# Altium PCB Sensorhub_PCB.PcbDoc
Units mm, origin at the board's own origin, x right, y up, seen from the top; angles counter-clockwise.
Board outline 78 x 63 mm, 4 copper layers (Top Layer, Inner Layer1, Inner Layer2, Bottom Layer), stack 1.369 mm thick; 106 components, 76 nets, 447 pads, 107 vias.
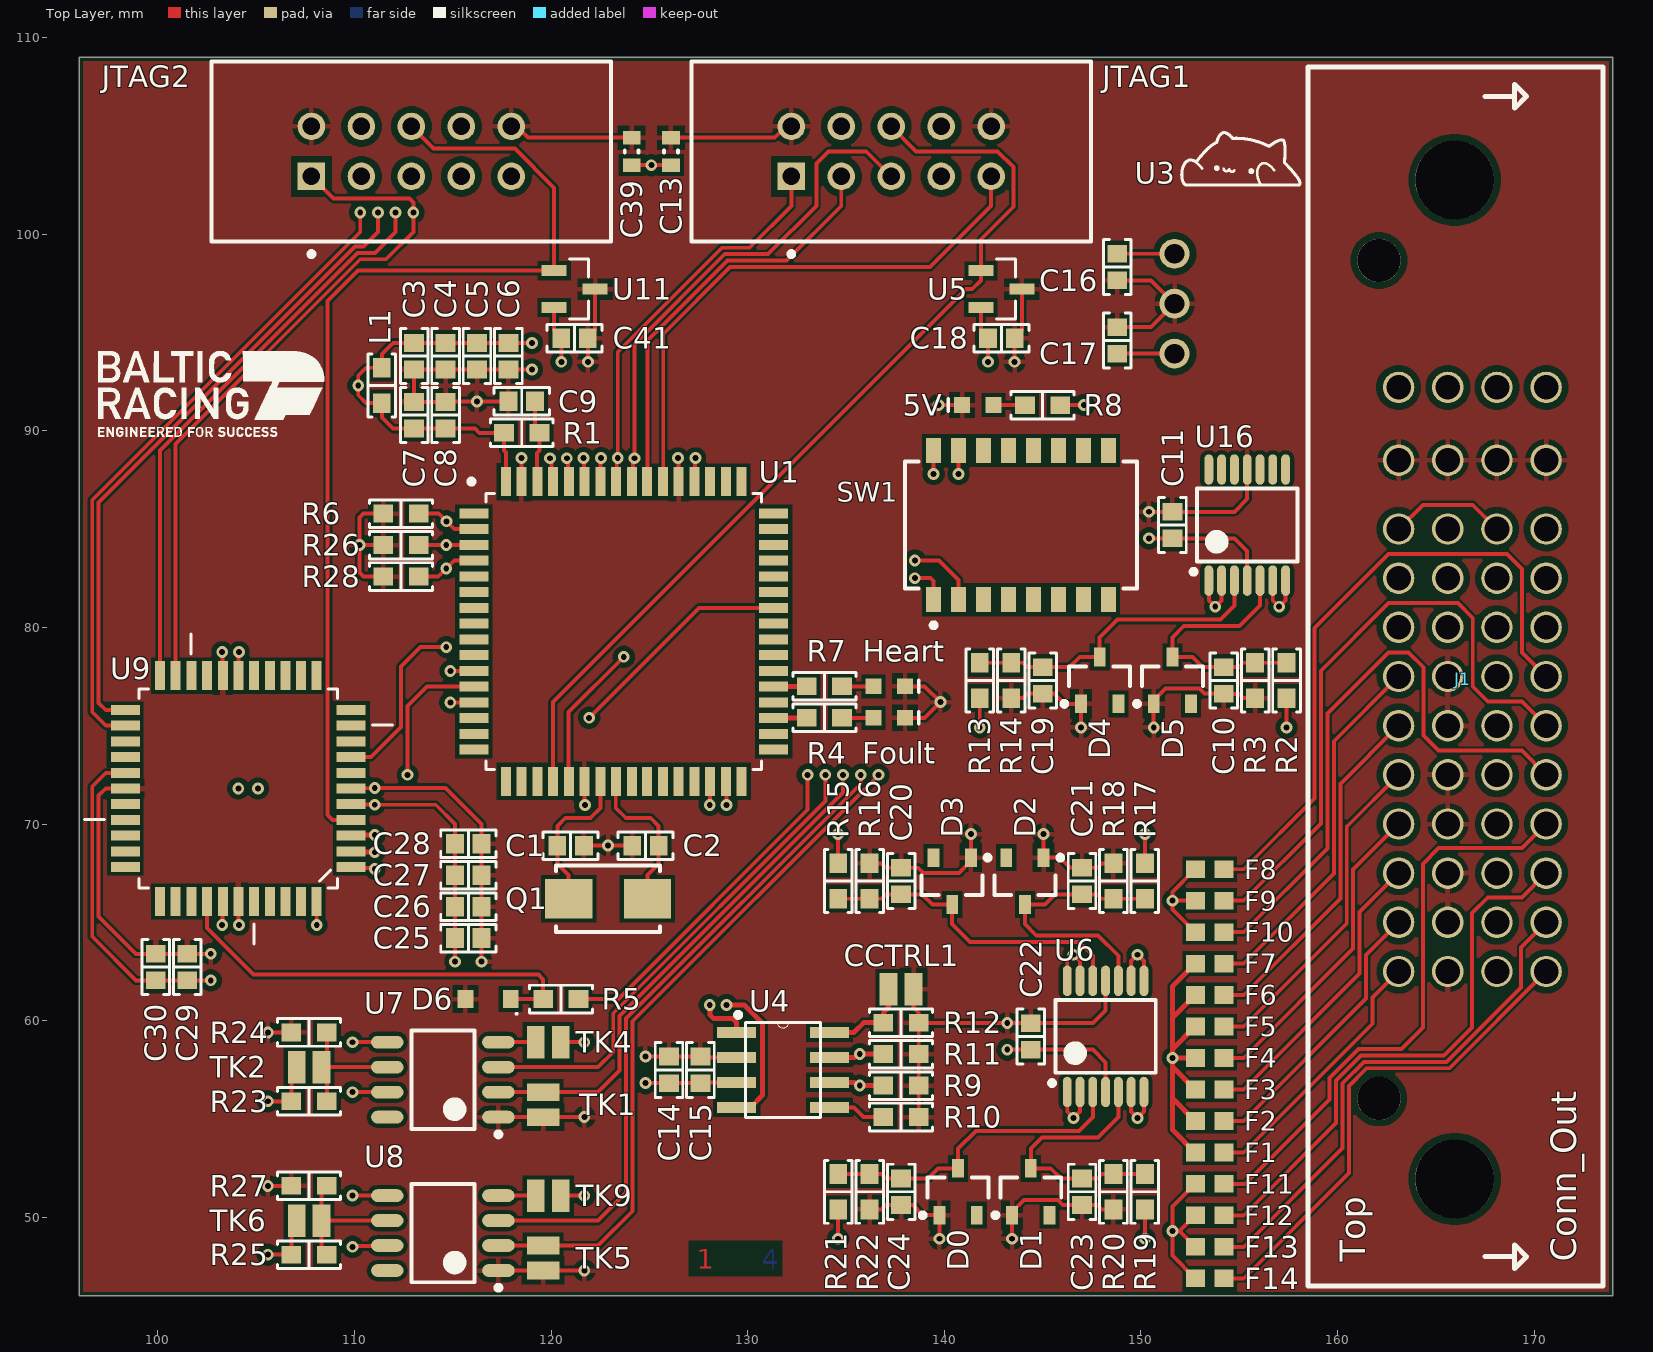
[diagram p0: Top Layer view]
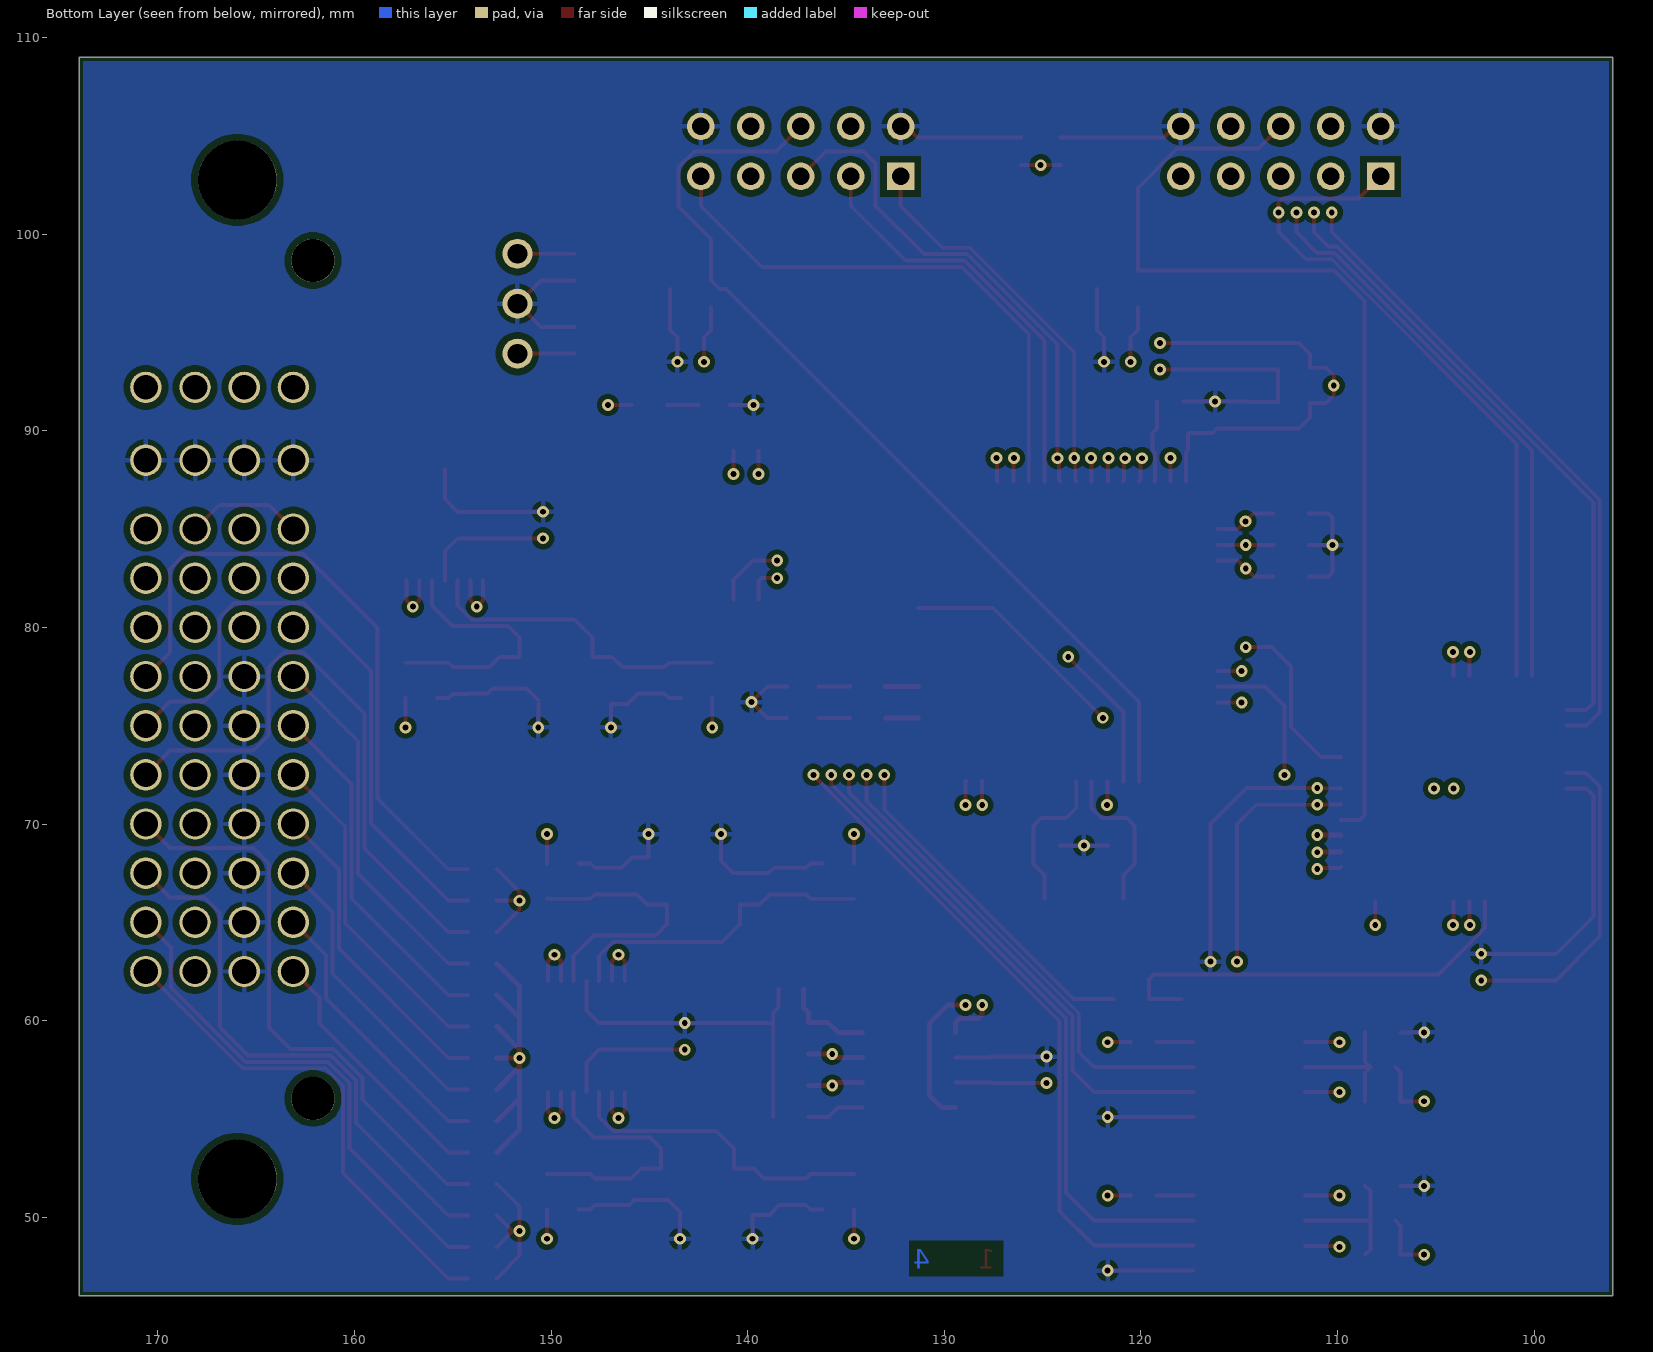
[diagram p1: Bottom Layer view, seen from below]
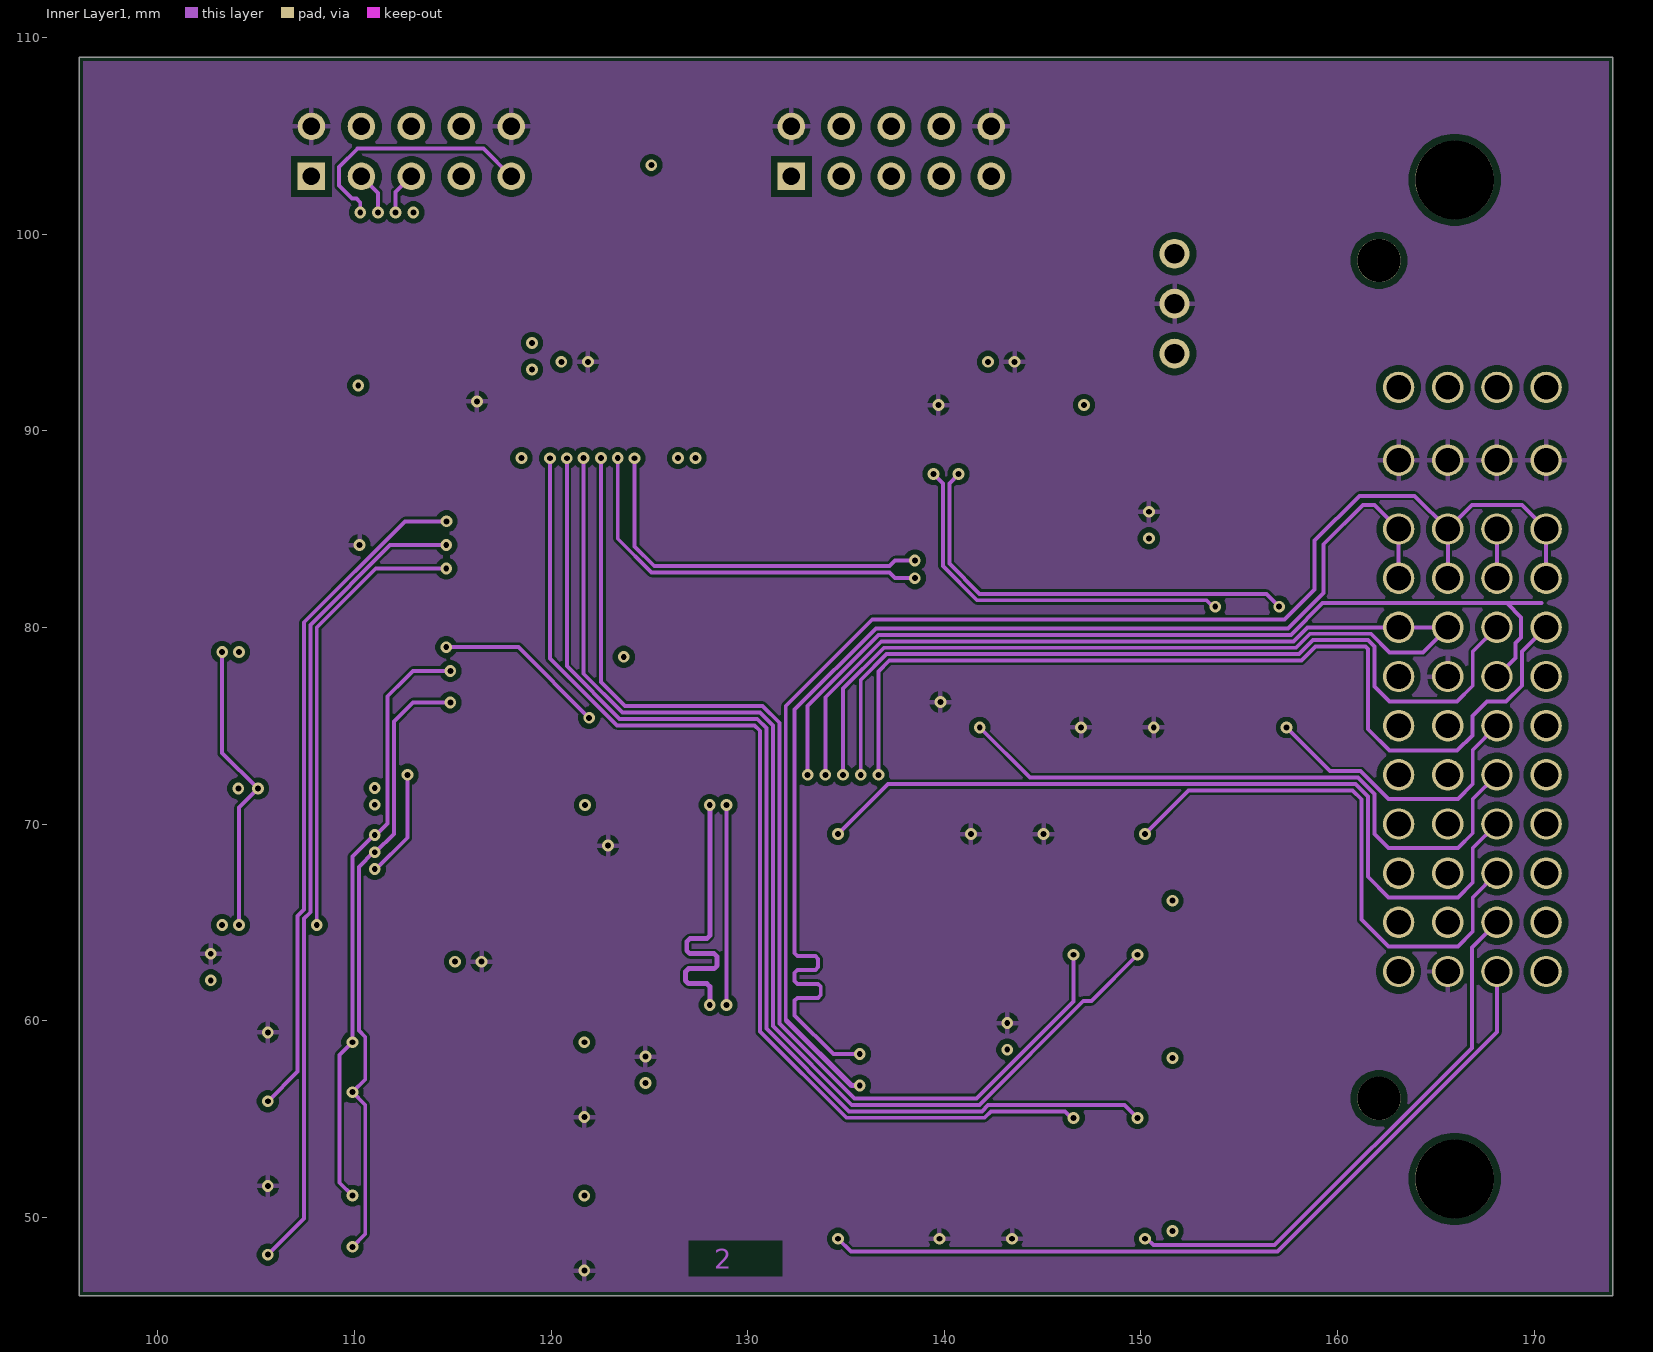
[diagram p2: Inner Layer1]
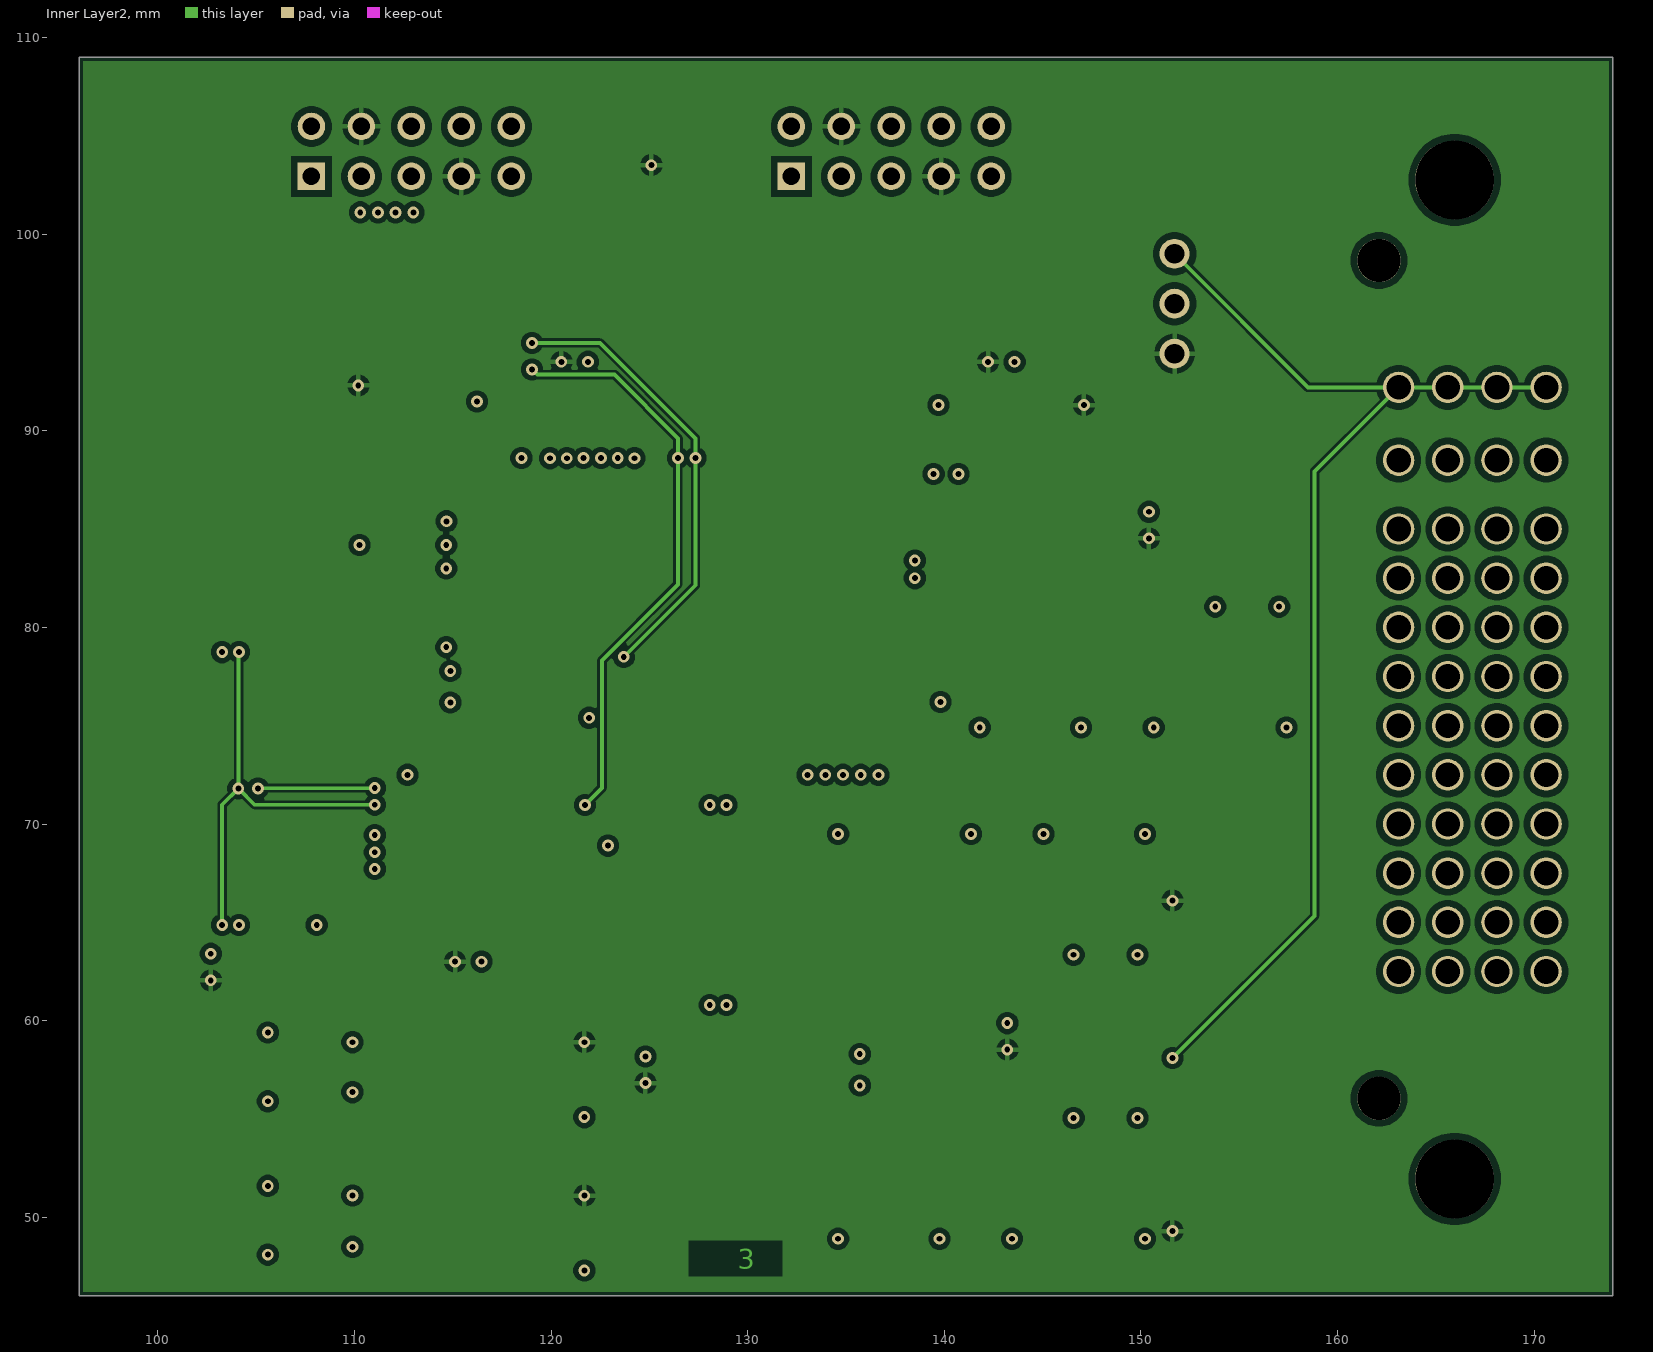
[diagram p3: Inner Layer2]

## Layer stack, top to bottom
Top Solder: solder mask 0.0254, SM-001, Dk 4
Top Layer: signal copper 0.035
Dielectric 1: prepreg 0.1295, PP-017, Dk 4.3
Dielectric 2: prepreg 0.1295, PP-017, Dk 4.3
Inner Layer1: signal copper 0.035
Dielectric 3: core 0.7112, Core-039, Dk 4.8
Inner Layer2: signal copper 0.035
Dielectric 4: prepreg 0.1295, PP-017, Dk 4.3
Dielectric 5: prepreg 0.1295, PP-017, Dk 4.3
Bottom Layer: signal copper 0.035
Bottom Solder: solder mask 0.0254, SM-001, Dk 4

## Board outline
96,46 174,46 174,109 96,109

## Design rules (kind name [scope] priority, off if disabled: settings)
BoardOutlineClearance [All] p1: gap=0.2 ignorepadtopadclearanceinfootprint=FALSE // Trace to V-cut >0.4mm
Clearance [All] p1: gap=0.254 ignorepadtopadclearanceinfootprint=TRUE except(0: Arc-Hole Track-Hole SMDPad-Hole THPad-Hole Via-Hole Fill-Hole Poly-Hole Region-Hole Text-Hole; 0.127: Arc-Arc Arc-Track Arc-Fill Arc-Poly Arc-Region Track-Track Track-Fill Track-Poly Track-Region SMDPad-SMDPad; 0.15: Arc-Text Track-Text SMDPad-Text THPad-Text Via-Text Fill-Text Poly-Text Region-Text Text-Text; 0.2: Arc-SMDPad Track-SMDPad SMDPad-Fill SMDPad-Poly SMDPad-Region; 0.33: Arc-THPad Track-THPad THPad-Fill THPad-Poly THPad-Region; 0.5: SMDPad-THPad THPad-THPad THPad-Via)
DiffPairsRouting [All] p1: maxlimit=10 minlimit=0.254 mostfreqgap=0.254 toplayer_minwidth=0.127 toplayer_maxwidth=5 toplayer_prefwidth=0.254 midlayer1_minwidth=0.127 midlayer1_maxwidth=5 midlayer1_prefwidth=0.254 midlayer2_minwidth=0.127 midlayer2_maxwidth=5 midlayer2_prefwidth=0.254 bottomlayer_minwidth=0.127 bottomlayer_maxwidth=5 bottomlayer_prefwidth=0.254 maxuncoupledlength=12.7
HoleSize [All] p1: absolutevalues=TRUE maxlimit=6.3 minlimit=0.2 maxpercent=80.000 minpercent=20.000 // Finished hole size tolerance +0.13/-0.08mm
HoleToHoleClearance [All] p1: gap=0.5 allowstackedmicrovias=TRUE
MatchedLengths [InNetClass('CAN')] p1: tolerance=0.25 checknetsindiffpair=FALSE checkdiffpairvsdiffpair=TRUE checkxsignals=TRUE checkothers=TRUE
MinimumAnnularRing [All] p1: minimumring=0.13 // 1oz Copper
PolygonConnect [All] p1: connectstyle=Relief reliefconductorwidth=0.254 reliefentries=4 polygonreliefangle="90 Angle" airgapwidth=0.254
RoutingVias [All] p1: holewidth=0.711 width=1.27 viastyle="Through Hole" minholewidth=0.3 minwidth=0.6 maxholewidth=0.711 maxwidth=1.27
SolderMaskExpansion [All] p1: expansion=0.05 istentingtop=FALSE
Width [All] p1: maxlimit=4.5 minlimit=0.09 preferedwidth=0.2 toplayer_minwidth=0.127 midlayer1_minwidth=0.127 midlayer2_minwidth=0.127 minimp=50.000000 maximp=50.000000 favimp=50.000000
27 further rules are at their usual default settings.

## Classes and differential pairs
component class TYPK: R23 R24 R25 R27 TK1 TK2 TK4 TK5 TK6 TK9 U7 U8
component class main: 5V C1 C2 C3 C4 C5 C6 C7 C8 C9 C13 C14 C15 C16 C17 C18 CCTRL1 Foult Heart JTAG1 L1 Q1 R1 R4 R6 R7 R8 R9 R10 R11 R12 R26 R28 SW1 U1 U3 U4 U5
component class Digital_Input: C25 C26 C27 C28 C29 C30 C39 C41 D6 JTAG2 R5 U9 U11
component class Connector: Conn1 F1 F2 F3 F4 F5 F6 F7 F8 F9 F10 F11 F12 F13 F14 J1
component class "analog filterung": C10 C11 C19 C20 C21 C22 C23 C24 D0 D1 D2 D3 D4 D5 R2 R3 R13 R14 R15 R16 R17 R18 R19 R20 R21 R22 U6 U16
differential pair X_CAN: +X_CAN_P -X_CAN_N
differential pair CAN: +CAN_P -CAN_N

## Components (designator, comment, footprint, x,y, rotation, side; value= is the part's Value field where it differs from the comment)
5V "150060GS75000" 0603_A 141.7,91.3 r0 top
C1 "SMD Capacitor" "CAP 0603/1608" 121,68.9 r180 top value=18p
C2 "SMD Capacitor" "CAP 0603/1608" 124.8,68.9 r0 top value=18p
C3 "SMD Capacitor" "CAP 0603/1608" 113.037,93.787 r90 top value=1u
C4 "SMD Capacitor" "CAP 0603/1608" 114.637,93.787 r90 top value=100n
C5 "SMD Capacitor" "CAP 0603/1608" 116.237,93.788 r90 top value=1u
C6 "SMD Capacitor" "CAP 0603/1608" 117.837,93.787 r90 top value=100n
C7 "SMD Capacitor" "CAP 0603/1608" 113.037,90.787 r90 top value=1u
C8 "SMD Capacitor" "CAP 0603/1608" 114.637,90.787 r90 top value=100n
C9 "SMD Capacitor" "CAP 0603/1608" 118.512,91.487 r180 top value=1u
C10 "SMD Capacitor" "CAP 0603/1608" 154.2,77.3 r90 top value=100n
C11 "SMD Capacitor" "CAP 0603/1608" 151.6,85.2 r90 top value=1u
C13 "CAP 100nF 10V 0603(1608)" CAPC0603(1608)100_L 126.1,104.2 r90 top value=100nF
C14 "SMD Capacitor" "CAP 0603/1608" 126,57.5 r270 top value=100n
C15 "SMD Capacitor" "CAP 0603/1608" 127.6,57.5 r270 top value=100n
C16 "SMD Capacitor" "CAP 0603/1608" 148.8,98.321 r90 top
C17 "SMD Capacitor" "CAP 0603/1608" 148.8,94.591 r270 top
C18 "SMD Capacitor" "CAP 0603/1608" 142.9,94.7 r0 top value=1u
C19 "SMD Capacitor" "CAP 0603/1608" 145,77.3 r90 top value=100n
C20 "SMD Capacitor" "CAP 0603/1608" 137.8,67.1 r270 top value=100n
C21 "SMD Capacitor" "CAP 0603/1608" 147,67.1 r270 top value=100n
C22 "SMD Capacitor" "CAP 0603/1608" 144.4,59.2 r90 top value=1u
C23 "SMD Capacitor" "CAP 0603/1608" 147,51.3 r90 top value=100n
C24 "SMD Capacitor" "CAP 0603/1608" 137.8,51.3 r90 top value=100n
C25 "SMD Capacitor" "CAP 0603/1608" 115.794,64.2 r180 top value=100n
C26 "SMD Capacitor" "CAP 0603/1608" 115.794,65.8 r180 top value=1u
C27 "SMD Capacitor" "CAP 0603/1608" 115.794,67.4 r180 top value=100n
C28 "SMD Capacitor" "CAP 0603/1608" 115.794,69 r180 top value=1u
C29 "SMD Capacitor" "CAP 0603/1608" 101.5,62.725 r270 top value=100n
C30 "SMD Capacitor" "CAP 0603/1608" 99.9,62.725 r270 top value=1u
C39 "CAP 100nF 10V 0603(1608)" CAPC0603(1608)100_L 124.1,104.2 r90 top value=100nF
C41 "SMD Capacitor" "CAP 0603/1608" 121.2,94.7 r0 top value=1u
CCTRL1 "SMD Jumper open" SMD-JUMPER-OPEN 137.8,61.6 r180 top
D0 "MMBZ4625-HE3-08" SOT95P248X115-3N 140.7,51.3 r90 top
D1 "MMBZ4625-HE3-08" SOT95P248X115-3N 144.396,51.3 r90 top
D2 "MMBZ4625-HE3-08" SOT95P248X115-3N 144.096,67.1 r270 top
D3 "MMBZ4625-HE3-08" SOT95P248X115-3N 140.4,67.1 r270 top
D4 "MMBZ4625-HE3-08" SOT95P248X115-3N 147.9,77.3 r90 top
D5 "MMBZ4625-HE3-08" SOT95P248X115-3N 151.596,77.3 r90 top
D6 "MM3Z4V7T1G" SOD-323-2 116.8,61.1 r180 top
F1 "SF-0603S100-2" RESC1608X06N 153.5,53.3 r0 top
F2 "SF-0603S100-2" RESC1608X06N 153.5,54.9 r0 top
F3 "SF-0603S100-2" RESC1608X06N 153.5,56.5 r0 top
F4 "SF-0603S100-2" RESC1608X06N 153.5,58.1 r0 top
F5 "SF-0603S100-2" RESC1608X06N 153.5,59.7 r0 top
F6 "SF-0603S100-2" RESC1608X06N 153.5,61.3 r0 top
F7 "SF-0603S100-2" RESC1608X06N 153.5,62.9 r0 top
F8 "SF-0603S100-2" RESC1608X06N 153.5,67.7 r180 top
F9 "SF-0603S100-2" RESC1608X06N 153.5,66.1 r180 top
F10 "SF-0603S100-2" RESC1608X06N 153.5,64.5 r180 top
F11 "SF-0603S100-2" RESC1608X06N 153.5,51.7 r180 top
F12 "SF-0603S100-2" RESC1608X06N 153.5,50.1 r180 top
F13 "SF-0603S100-2" RESC1608X06N 153.5,48.5 r180 top
F14 "SF-0603S100-2" RESC1608X06N 153.5,46.9 r180 top
Foult "150060BS75000" 0603_A 137.2,75.4 r180 top
Heart "150060BS75000" 0603_A 137.2,77 r180 top
J1 "Molex 48 Pin" 5007621001 163.1,77.5 r90 top
JTAG1 "5103309-1" TECO-5103309-1_V 137.3,104.2 r180 top
JTAG2 "5103309-1" TECO-5103309-1_V 112.9,104.2 r180 top
L1 "SMD Inductor" "STACKPOLE CSR0603" 111.4,92.3 r90 top value=100n
Q1 "16M" "NDK NX5032GA" 122.9,66.2 r180 top
R1 "SMD Resistor" "STACKPOLE CSR0603" 118.512,89.887 r180 top value=100
R2 "SMD Resistor" "STACKPOLE CSR0603" 157.4,77.3 r270 top value=0
R3 "SMD Resistor" "STACKPOLE CSR0603" 155.8,77.3 r270 top value=0
R4 "0603 220" "STACKPOLE CSR0603" 133.9,75.4 r180 top value=1k
R5 "SMD Resistor" "STACKPOLE CSR0603" 120.5,61.1 r180 top value=10k
R6 "SMD Resistor" "STACKPOLE CSR0603" 112.367,85.784 r0 top value=10k
R7 "0603 220" "STACKPOLE CSR0603" 133.9,77 r180 top value=1k
R8 "0603 220" "STACKPOLE CSR0603" 145,91.3 r180 top value=1k
R9 "SMD Resistor" "STACKPOLE CSR0603" 137.8,56.7 r0 top value=60
R10 "SMD Resistor" "STACKPOLE CSR0603" 137.8,55.1 r0 top value=300
R11 "SMD Resistor" "STACKPOLE CSR0603" 137.8,58.3 r180 top value=60
R12 "SMD Resistor" "STACKPOLE CSR0603" 137.8,59.9 r180 top
R13 "SMD Resistor" "STACKPOLE CSR0603" 141.8,77.3 r270 top value=0
R14 "SMD Resistor" "STACKPOLE CSR0603" 143.4,77.3 r270 top value=0
R15 "SMD Resistor" "STACKPOLE CSR0603" 134.6,67.1 r90 top value=0
R16 "SMD Resistor" "STACKPOLE CSR0603" 136.2,67.1 r90 top value=0
R17 "SMD Resistor" "STACKPOLE CSR0603" 150.2,67.1 r90 top value=0
R18 "SMD Resistor" "STACKPOLE CSR0603" 148.6,67.1 r90 top value=0
R19 "SMD Resistor" "STACKPOLE CSR0603" 150.2,51.3 r270 top value=0
R20 "SMD Resistor" "STACKPOLE CSR0603" 148.6,51.3 r270 top value=0
R21 "SMD Resistor" "STACKPOLE CSR0603" 134.6,51.3 r270 top value=0
R22 "SMD Resistor" "STACKPOLE CSR0603" 136.2,51.3 r270 top value=0
R23 "SMD Resistor" "STACKPOLE CSR0603" 107.7,55.9 r180 top value=10k
R24 "SMD Resistor" "STACKPOLE CSR0603" 107.7,59.4 r0 top value=18k
R25 "SMD Resistor" "STACKPOLE CSR0603" 107.7,48.1 r180 top value=10k
R26 "SMD Resistor" "STACKPOLE CSR0603" 112.367,84.184 r0 top value=10k
R27 "SMD Resistor" "STACKPOLE CSR0603" 107.7,51.6 r0 top value=18k
R28 "SMD Resistor" "STACKPOLE CSR0603" 112.367,82.584 r0 top value=10k
SW1 "1-1571983-1" FP-1-1571983-1-MFG 143.9,85.2 r0 top
TK1 "SMD Jumper open" SMD-JUMPER-OPEN 119.6,55.73 r90 top
TK2 "SMD Jumper open" SMD-JUMPER-OPEN 107.7,57.635 r180 top
TK4 "SMD Jumper open" SMD-JUMPER-OPEN 119.86,58.905 r180 top
TK5 "SMD Jumper open" SMD-JUMPER-OPEN 119.6,47.93 r90 top
TK6 "SMD Jumper open" SMD-JUMPER-OPEN 107.7,49.835 r180 top
TK9 "SMD Jumper open" SMD-JUMPER-OPEN 119.86,51.1 r180 top
U1 "AT90CAN128-16AI" *QFP80P1600X1600X120-64N 123.7,79.79 r0 top
U3 "R-78E5.0-1.0" SIP3_RECOM 153.956,96.456 r270 top
U4 "MCP2551-I/SN" *SOIC127P600X175-8N 131.8,57.5 r0 top
U5 "MCP130T-450I/TT" *SOT95P237X112-3N 142.9,97.2 r270 top
U6 "ADA4084-4ARUZ" ANALOG_RU14 148.2,59.2 r90 top
U7 "MAX6675ISA+" SOIC8 114.5,57 r180 top value=Value
U8 "MAX6675ISA+" SOIC8 114.5,49.2 r180 top value=Value
U9 "ATMEGA16-16AUR" QFP80P1200X1200X120-44N 104.1,71.8 r180 top
U11 "MCP130T-450I/TT" *SOT95P237X112-3N 121.2,97.2 r270 top
U16 "ADA4084-4ARUZ" ANALOG_RU14 155.4,85.2 r90 top
